# Altium PCB GT502W_V4_GPS_GT101.PcbDoc (part 2 of 2)
Units mil, origin at the board's own origin, x right, y up, seen from the top; angles counter-clockwise.
Board outline 1788.44 x 2361.43 mil, 4 copper layers (L1, L2, L3, L4), stack 28.912 mil thick; 156 components, 101 nets, 521 pads, 511 vias.
Unrouted connection lines stored in the file: 4.
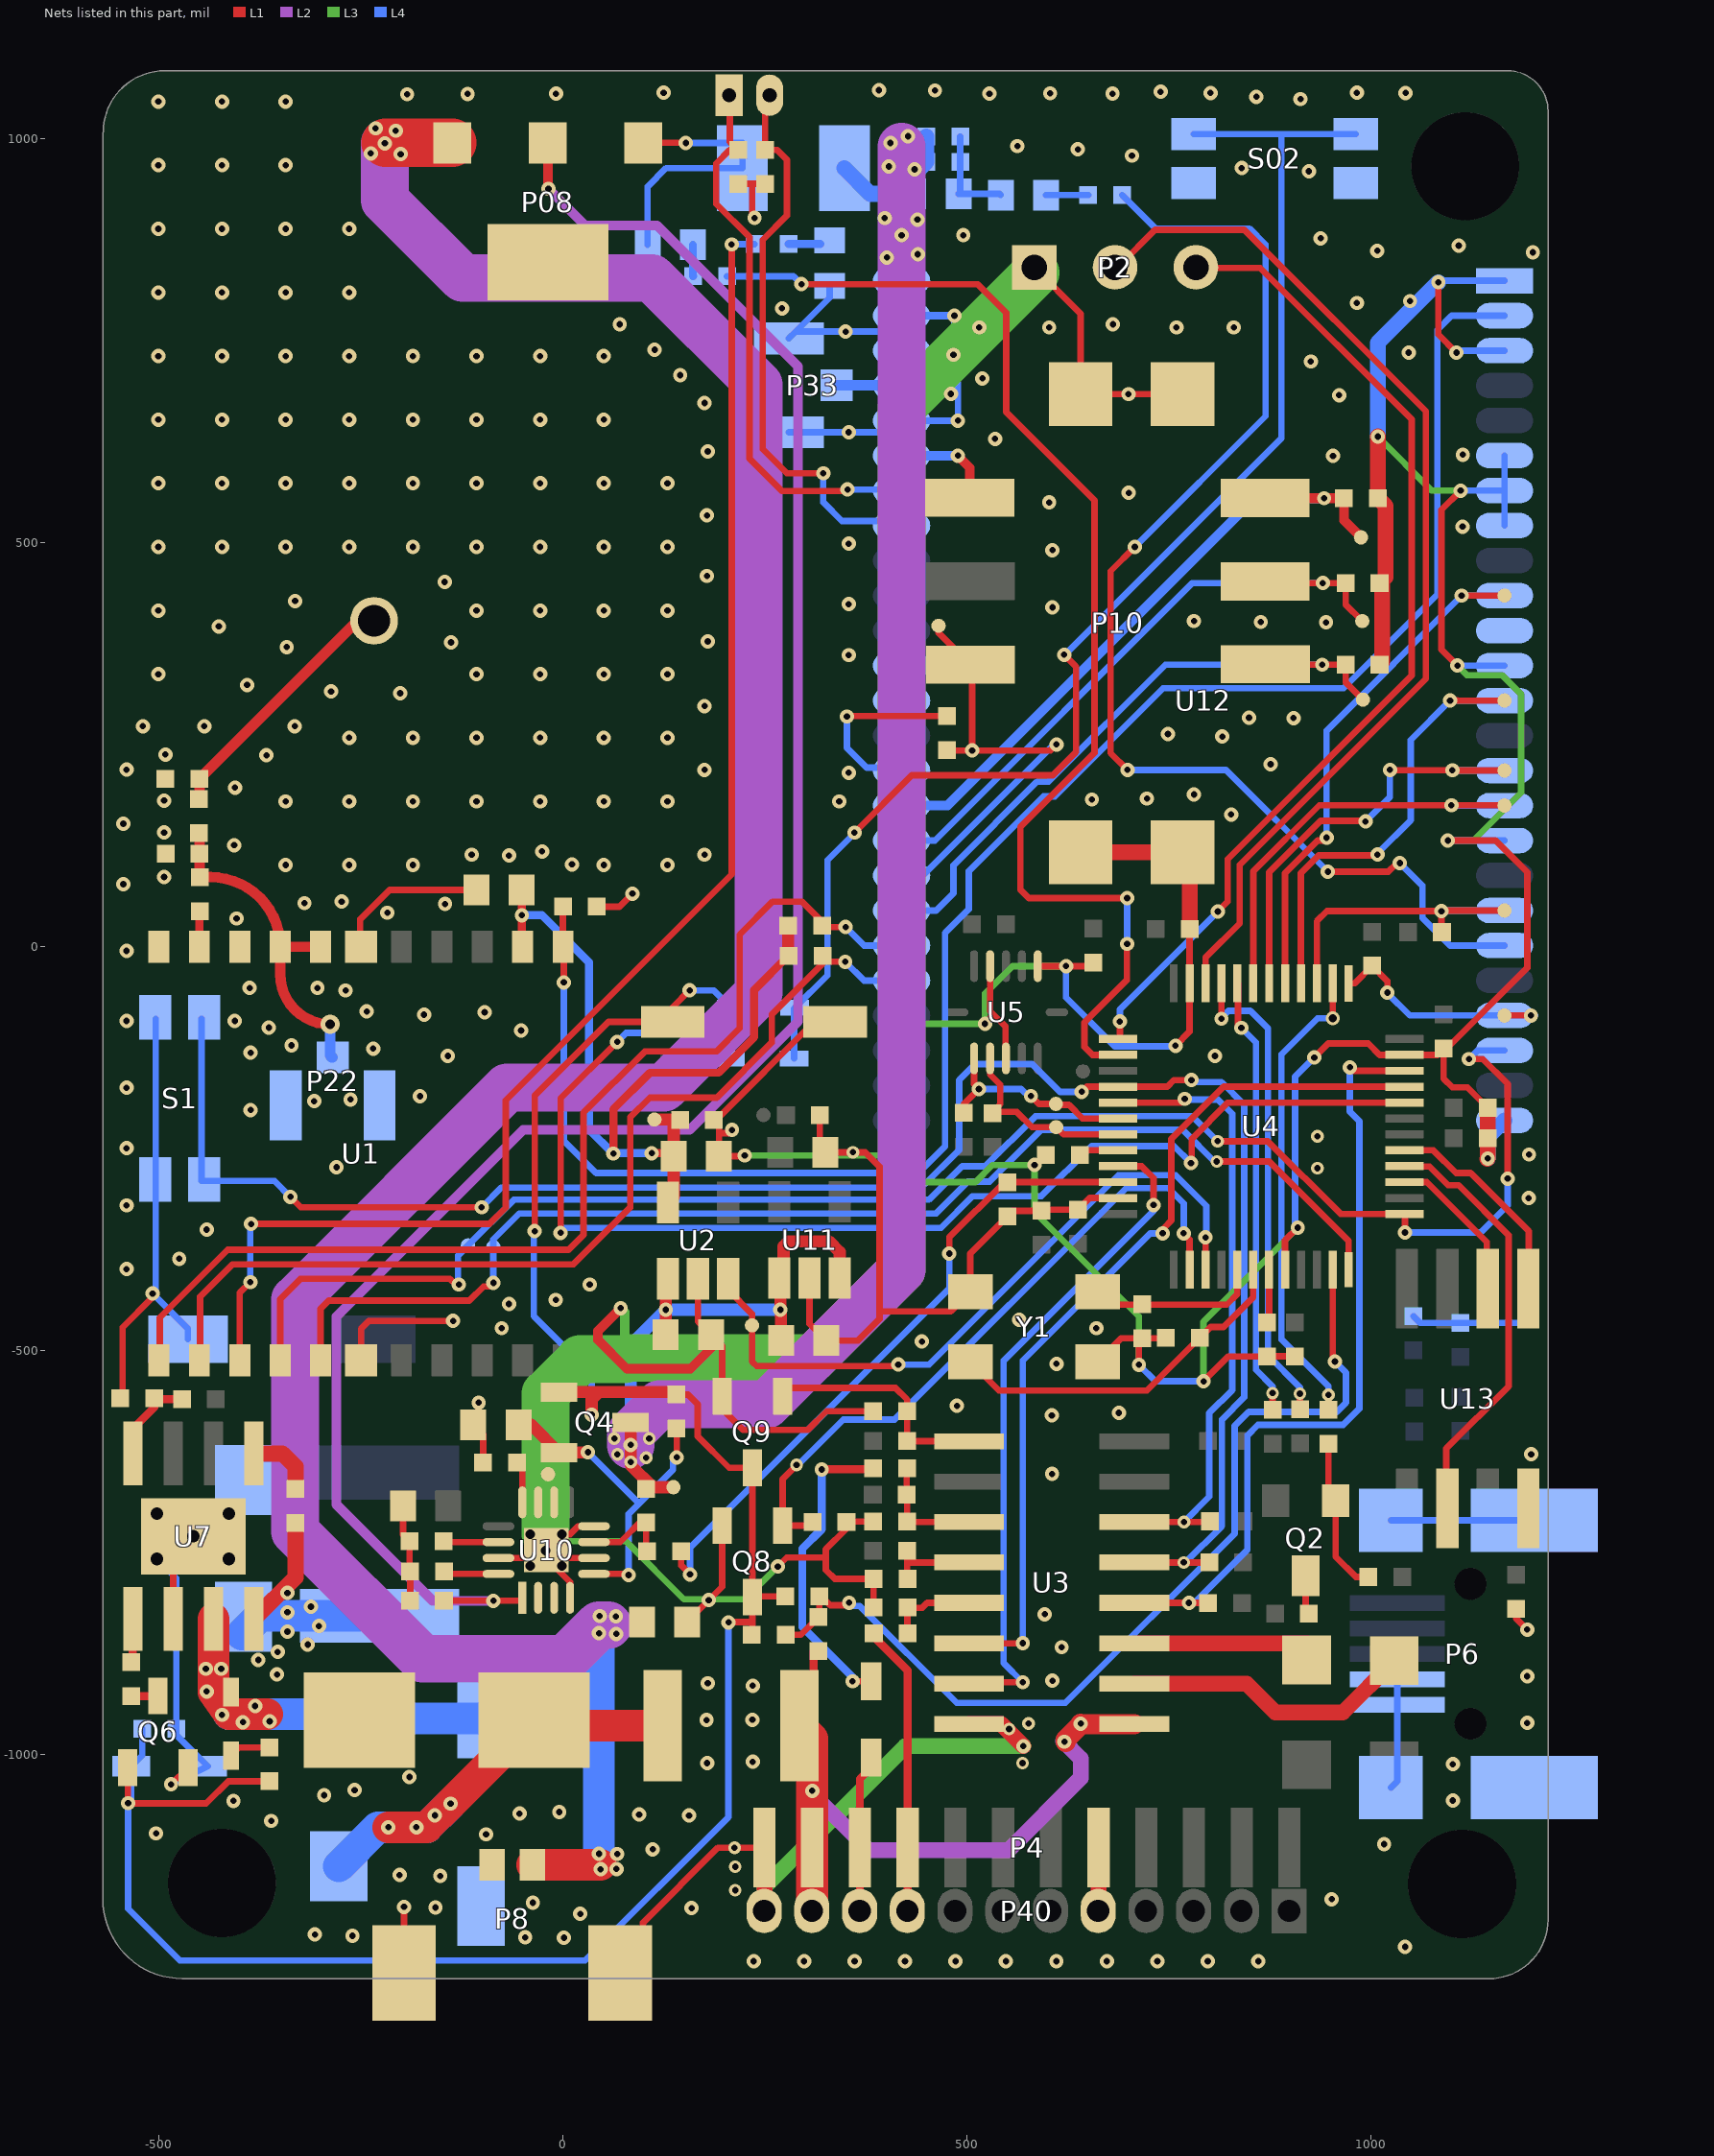
[diagram p4: the nets of this part, all layers, seen from the top]

## Via types
v1: diameter 17.72, hole 7.87, L1 to L4, 473 vias
v2: diameter 15.75, hole 7.87, L1 to L4, 22 vias
v3: diameter 31.5, hole 15.75, L1 to L4, 5 vias
v4: diameter 11.81, hole 11.81, L1 to L4, tented top, 5 vias
v5: diameter 31.5, hole 31.5, L1 to L4, 4 vias
v6: diameter 23.62, hole 11.81, L1 to L4, 1 vias
v7: diameter 17.72, hole 9.84, L1 to L4, 1 vias

## Nets (pads, with @x,y where several pads share a name; then routed paths per layer and width w, separated by ;. In a path a pad name is that pad's centre, name@x,y a point inside that pad or via, vN(x,y) a via of type N, cw(c..) or ccw(c..) an arc to the next point about the centre after c; other vN are vias at no path point) (continued)
GND: C5.1 C6.2 C8.1 C10.2 C11.2 C12.2 C13.2 C14.1 C15.2 C17.2 C18.1 C19.2 C20.1 C21.2 C22.2 C25.1 C31.2 C33.2 C40.1 C48.2 C49.2 C51.1 C53.2 C55.1 C56.2 C57.1 C58.1 C59.1 C61.1 C62.1 C63.1 C66.1 C69.1 C70.1 C85.2 C86.1 C87.1 C88.1 C89.1 C90.1 C91.1 C94.1 C95.1 D2.2 D5.1 D9.2 D10.1 D14.2 DZ1.1 P2.1 P4.5 P4.12 P6.4 P6.5 P6.6 P6.7 P6.8 P6.9 P8.1 P8.3 P08.3 P08.4 P8.4 P10.5 P10.8 P10.9 P10.10 P10.11 P22.2 P22.3 P33.2 P33.3 P40.5 P40.12 Q6.2 Q8.2 Q9.2 R11.1 R21.1 R43.2 R44.2 R45.2 R87.1 R88.2 R89.1 R93.2 S1.1 S1.2 S2.1 S02.3 S02.4 U1.18 U1.20 U1.21 U1.22 U2.2 U3.8 U4.8 U4.23 U4.35 U4.47 U5.1 U5.4 U5.8 U7.6 U7.9 U10.4 U10.6 U10.8 U10.15 U10.17 U11.2 U12.1 U12.3 U12.6 U12.7 U12.8 U12.12 U12.17 U12.25 U12.36 U12.45 U12.46 U12.48 U12.49 U13.4 Y1.2 Y1.4 | length 14985.6
  L1 w8: R21.1@-545,-558.66 -545,-471 -507.87,-433.87 v1(-507.87,-429.13) ; v1(-485.04,-1036.61) Q6.2@-463.78,-1015.94 ; U7.6@-482.48,-831.89 -482.48,-754.53 v3(-457.48,-729.53) ; U1.21@-250,-511.81 -250,-473 -240,-463 v1(-136,-463) ; U1.22@-250,0 -251,1 -251,34 -214.53,70.47 C40.1@-107.09,70.47 ; D10.1@-215.75,-981.89 D10.1@-196.85,-1000.79 ; C20.1@-198.11,-692.21 -198.11,-727.74 R44.2@-190,-735.84 -190,-772.32 R45.2@-189.11,-773.21 -189.11,-809.06 R88.2@-189.5,-809.45 ; P8.3@-196.85,-1270.08 v1(-196.85,-1188.19) ; v1(-104.46,-564.17) -104.46,-585.08 C70.1@-111.12,-591.73 -98.95,-603.9 R43.2@-98.95,-638.19 ; U10.15@-79.96,-756.51 U10.17@-30.75,-756.51 ; U10.17@-6.21,-771.35 8.62,-786.18 U10.4@8.62,-805.72 ; U10.17@-1.22,-756.51 U10.6@38.15,-756.51 ; v4(-1.22,-726.98) 8.85,-726.98 18.69,-717.14 U10.8@38.15,-717.14 ; C55.1@41.87,49.61 69.69,49.61 v1(85.83,65.75) ; P8.4@70.87,-1270.08 98.82,-1242.13 98.82,-1207.87 191.73,-1114.96 v2(212.2,-1114.96) P4.12@249.21,-1114.96 ; P08.3@99.21,995.08 151.97,995.08 v1(151.97,994.88) ; C25.1@153.54,-835.43 v1(180.31,-808.66) 196.85,-792.13 Q8.2@196.85,-716.34 ; U2.2@167.01,-410.91 167.01,-463.86 C63.1@183.07,-479.92 191.54,-488.39 196.85,-493.7 Q9.2@196.85,-556.3 196.85,-572.05 222.84,-598.03 302.76,-598.03 325.98,-574.8 C86.1@383.72,-574.8 ; v1(209.06,-226.77) 205.12,-230.71 192.91,-230.71 ; C94.1@216.54,943.96 216.93,944.35 234,944.35 ; v1@224.02,-259.06 C61.1@192.91,-259.06 192.91,-230.71 ; v1(237,902) 234,905 234,944.35 ; C95.1@250,944.35 234,944.35 ; v1(265.75,-766.93) 276.77,-755.91 325.2,-755.91 ; U11.2@305.02,-409.84 305.02,-466.73 C17.2@325.69,-487.4 364.96,-487.4 391.73,-460.63 391.73,-451.18 ; C18.1@318.9,-207.22 C18.1@317.85,-208.27 317.85,-247.68 C19.2@324.5,-254.33 v2(358.66,-254.33) 374.02,-254.33 391.73,-272.05 391.73,-451.18 ; S2.1@336.61,-92.91 310.63,-92.91 188.98,-214.57 C62.1@186.75,-214.57 192.91,-220.73 192.91,-230.71 ; v1(351.18,285.04) 351.71,285.57 C59.1@475.2,285.57 ; C87.1@383.72,-711.42 351.06,-711.42 R93.2@350.66,-711.81 350.66,-720.2 325.2,-745.67 325.2,-755.91 ; C89.1@384.12,-817.72 C88.1@384.12,-782.28 336.22,-782.28 325.2,-771.26 325.2,-755.91 ; v1(522.05,-95.28) 530.71,-86.61 ; U5.4@528.37,-23.92 528.37,-79.55 547.64,-98.82 547.64,-137.68 U5.8@548.06,-138.1 ; P2.1@583.07,840.94 640.44,783.58 P10.9@640.44,684.05 ; v1(583.46,-270.08) 585.3,-270.08 R11.1@597.5,-257.87 ; U5.1@587.43,-23.92 v1(622.44,-23.92) 651.8,-23.92 C14.1@656.3,-19.43 ; P10.9@607.57,651.18 P10.9@640.44,684.05 ; Y1.2@661.42,-513.78 690.81,-484.39 C8.1@716.93,-484.39 ; U4.47@686.72,-310.95 651.6,-310.95 C10.2@637.07,-325.48 593.12,-325.48 C5.1@591.76,-326.84 556.76,-326.84 C33.2@550,-333.6 503.94,-379.66 Y1.4@503.94,-427.17 479.92,-451.18 391.73,-451.18 ; v1(712.6,-517.32) 712.6,-488.72 C8.1@716.93,-484.39 ; C15.2@745.93,-483.86 745.4,-484.39 C8.1@716.93,-484.39 ; v1(757.87,-122.44) 775.31,-105.01 U4.35@775.31,-45.2 C13.2@775.33,22.05 ; P10.10@766.43,684.05 v1(699.61,684.05) P10.9@640.44,684.05 ; v1(792.52,-537.8) 823.35,-506.96 C6.2@871.26,-506.96 871.39,-506.83 C12.2@905.51,-506.83 ; U4.8@893.42,-399.53 893.42,-363.28 v1(909.06,-347.64) ; v1(929.53,-137.01) 946.85,-119.69 996.39,-119.69 1010.49,-133.78 U4.23@1041.05,-133.78 1081.82,-133.78 C11.2@1089.76,-125.84 ; v1(1083.07,822.44) 1083.07,757.87 v1(1105.51,735.43) ; v1(1094.88,131.5) 1153.94,131.5 1193.31,92.13 1193.31,-25.98 1093.45,-125.84 C11.2@1089.76,-125.84 ; v1(1106.69,348.03) 1087.01,367.72 1087.01,540.94 v1(1110.63,564.57) ; C91.1@1144.23,-199.2 1119.04,-174.02 1100.39,-174.02 1089.76,-163.38 C11.2@1089.76,-125.84 ; C85.2@1179.13,-819.43 1179.13,-831.13 v1(1193,-845)
  L1 w10: P2.1@579.92,840.94 P2.1@583.07,840.94
  L1 w11.81: v1(71.26,-447.24) 43.31,-475.2 43.31,-486.61 78.74,-522.05 157.87,-522.05 C63.1@191.54,-488.39 ; v1(488.58,607.87) 503.43,593.02 P10.5@503.43,555.7
  L1 w19.68: P40.12@249.21,-1197.24 P4.12@249.21,-1114.96 ; U3.8@502.36,-962.01 542.32,-962.01 v1(569.69,-989.37) ; P10.11@640.44,117.12 P10.8@766.43,117.12 775.33,108.21 C13.2@775.33,22.05 ; P40.5@661.42,-1199.61 659.06,-1199.61 662.6,-1196.06 P4.5@662.6,-1114.96 ; v1(1008.27,631.5) 1008.35,631.42 C56.2@1008.35,555.16 1017.72,545.79 1017.72,457.53 C57.1@1010.35,450.16 1013.68,446.83 1013.68,352.49 C58.1@1010.35,349.16 ; v1@1143.7,-262.6 v1(1144.23,-262.07) C90.1@1144.23,-237 C91.1@1144.23,-199.2
  L3 w8: -10.25,-735.83 77.95,-735.83 149.61,-807.48 v1@180.31,-807.48 ; v1(180.31,-808.66) v1@180.31,-807.48 ; v1(224.8,-258.27) 418.9,-258.27 ; v1(265.75,-766.93) 225.2,-807.48 v1@180.31,-807.48 ; 418.9,-291.34 510.24,-291.34 531.5,-270.08 v1(583.46,-270.08) 583.46,-328.35 712.6,-457.48 v1(712.6,-517.32) ; 419.69,-95.28 v1(522.05,-95.28) 522.05,-57.87 556,-23.92 v1(622.44,-23.92) ; v1(792.52,-537.8) 792.52,-464.17 v1(909.06,-347.64) ; v1(1008.27,631.5) 1075.2,564.57 v1(1110.63,564.57) ; v1(1094.88,131.5) 1126.38,131.5 1185.43,190.55 1185.43,312.6 1161.81,336.22 1118.5,336.22 v1(1106.69,348.03)
  L3 w11.81: 76.26,-510.24 v1@76.26,-452.24
  L3 w19.68: P40.12@249.21,-1197.24 249.21,-1163.78 423.62,-989.37 v1(569.69,-989.37)
  L3 w59.06: -21.52,-726.98 -21.52,-553.01 21.26,-510.24 76.26,-510.24 ; 78.17,-508.71 309.79,-508.71 418.9,-399.61 418.9,-291.34 418.9,-258.27 418.9,668.11 P2.1@583.07,832.28 ; P2.1@583.07,836.22 P2.1@583.07,832.28 ; P2.1@585.04,834.25 P2.1@583.07,832.28
  L4 w8: S1.2@-503.94,-88.98 -503.94,-425.2 v1(-507.87,-429.13) -464.17,-472.83 C21.2@-464.17,-485.83 ; v3(-502.48,-757.53) -478.61,-781.4 C31.2@-478.61,-968.11 -478.61,-975.33 DZ1.1@-439.76,-1014.17 v1(-485.04,-1036.61) ; D2.2@104.68,868.9 104.68,940.9 127.56,963.78 C53.2@222.05,963.78 222.05,994.88 v1(151.97,994.88) ; P33.3@279.53,636.81 v1(353.54,636.81) 414.77,636.81 418.9,632.68 ; P33.2@279.53,752.95 P33.2@287.99,761.42 ; D9.2@329.92,818.06 329.92,803.35 P33.2@287.99,761.42 ; v1(351.18,285.04) 351.18,246.06 375.59,221.65 415.35,221.65 U12.36@418.9,218.11 ; U12.45@418.9,607.87 418.9,632.68 ; 418.9,761.42 v1(349.61,761.42) P33.2@287.99,761.42 ; U12.46@423.62,655.91 U12.46@418.9,651.18 ; v1(484.25,781.1) 484.25,753.94 488.58,749.61 v1(488.58,651.18) U12.46@418.9,651.18 ; C49.2@491.47,1002.76 491.47,933.99 C51.1@489.37,931.89 540.11,931.89 D14.2@541.69,930.32 ; v1(622.44,-23.92) 622.44,-62.99 682.68,-123.23 v1@757.09,-123.23 ; v1(712.6,-517.32) 733.07,-537.8 v1(792.52,-537.8) ; v1(909.06,-347.64) 905.91,-344.49 905.91,-160.63 v1(929.53,-137.01) ; P6.7@1024.46,-1040.52 1032.32,-1032.65 P6.5@1032.32,-938.15 P6.4@1032.32,-906.65 ; P6.6@1024.46,-709.77 P6.8@1201.65,-709.77 ; R87.1@1052.36,-457.35 1060.63,-465.61 R89.1@1110.63,-465.61 1194.23,-465.61 ; v1(1083.07,822.44) 1085.04,824.41 U12.1@1164.96,824.41 ; v1(1094.88,131.5) U12.17@1164.96,131.5 ; v1(1105.51,735.43) 1107.87,737.8 U12.3@1164.96,737.8 ; v1(1106.69,348.03) U12.12@1164.96,348.03 ; v1(1110.63,564.57) U12.7@1164.96,564.57 ; U12.8@1164.96,521.26 U12.7@1164.96,564.57 ; U12.6@1164.96,607.87 U12.7@1164.96,564.57 ; 418.9,632.68 U12.46@418.9,651.18
  L4 w10: U12.48@398.03,737.8 U12.48@418.9,737.8 418.9,761.42 U12.49@418.9,781.1 v1(484.25,781.1)
  L4 w11.81: U12.45@418.9,607.87 v1(488.58,607.87)
  L4 w19.68: v1(1008.27,631.5) 1008.27,747.64 v1(1083.07,822.44) ; v1(1144.23,-262.07) 1144.23,-235.69 U12.25@1164.96,-214.96
  other v1: 235.83,-1255.51 298.27,-1255.51 360.71,-1255.51 423.15,-1255.51 485.59,-1255.51 548.03,-1255.51 610.47,-1255.51 672.91,-1255.51 735.35,-1255.51 797.8,-1255.51 860.24,-1255.51 1041.95,-1237.66 -46.85,-1225.98 1.18,-1226.38 -260.63,-1224.02 -307.09,-1222.44 21.26,-1196.85 -157.87,-1188.98 159.06,-1189.76 -37.4,-1183.07 951.18,-1178.74 -151.97,-1150 -202.36,-1148.82 111.02,-1116.93 1015.95,-1110.66 -95.28,-1098.43 -503.54,-1097.24 -361.02,-1081.89 155.91,-1075.2 94.1,-1074.02 -53.94,-1072.83 -4.72,-1070.87 -407.87,-1057.09 1100.95,-1056.66 -295.68,-1050.09 -257.88,-1043.75 -190.16,-1027.56 1100.95,-1011.66 178.35,-1010.24 234.65,-1008.66 1193,-960.63 177.56,-957.09 234.25,-956.69 234.65,-914.57 179.13,-911.42 605.51,-908.27 1193,-902.81 616.93,-866.93 596.06,-825.98 605.12,-652.36 1198,-628 604.72,-579.92 687.8,-576.77 487.4,-568.11 610.63,-516.14 444.09,-488.58 -76,-472 659.84,-472.05 564.17,-461.42 -67,-442 -9,-437 33,-418 -540.16,-398.82 -475,-386 -441,-350 -540.16,-320.08 1194.88,-311.02 -280.31,-272.83 1195.28,-257.09 -540.16,-249.21 -386.61,-201.97 -308,-191 -263,-189 -177,-185 -540.16,-174.41 -142.52,-135.04 806.69,-135.04 -386.61,-131.1 -235,-126 -336,-122 -51.97,-103.54 -364,-100 -540.16,-91.73 -406.3,-91.73 -172,-84 -97,-81 -243,-80 -269,-54 -387.8,-51 -304,-51 -540.16,-5.12 -404,35 -217.32,42.13 -146,53 -320,54 -274,56 -544.09,77.56 -493.66,86.41 -343.31,101.18 -264.57,101.18 -185.83,101.18 11,102 50.39,101.18 129.13,101.18 -67,113 -113,114 175,114 -26,118 -407.05,125.78 -493.66,141.53 -544.09,152.36 826.77,163.78 -343.31,179.92 -264.57,179.92 -185.83,179.92 -107.09,179.92 -28.35,179.92 50.39,179.92 129.13,179.92 341.73,179.92 -493.66,180.9 654.33,182.28 722.44,183.47 780.71,188.58 -406,197 353.54,215.35 175,219 -540.16,219.29 875.59,225.99 -367,237 -492,238 -264.57,258.66 -185.83,258.66 -107.09,258.66 -28.35,258.66 50.39,258.66 129.13,258.66 815.75,260.24 748.43,263.39 -520,273 -444,273 -332,273 848.82,283.47 903.94,283.07 175,298 -201.57,313.78 -287,316 -391,324 -500.79,337.4 -107.09,337.4 -28.35,337.4 50.39,337.4 129.13,337.4 353.54,361.02 -342,371 -138.58,376.77 179,378 -425.98,396.46 863.39,401.97 944.09,401.57 780.71,403.15 -500.79,416.14 -107.09,416.14 -28.35,416.14 50.39,416.14 129.13,416.14 605.51,420.08 353.54,424.02 -331.5,427.95 -146.46,451.57 178,459 605.51,490.94 -500.79,494.88 -422.05,494.88 -343.31,494.88 -264.57,494.88 -185.83,494.88 -107.09,494.88 -28.35,494.88 50.39,494.88 129.13,494.88 353.54,498.82 1112.99,520.08 178,534 601.57,550 700,561.81 -500.79,573.62 -422.05,573.62 -343.31,573.62 -264.57,573.62 -185.83,573.62 -107.09,573.62 -28.35,573.62 50.39,573.62 129.13,573.62 952.76,607.48 1113.39,609.06 179,613 534.65,628.74 -500.79,652.36 -422.05,652.36 -343.31,652.36 -264.57,652.36 -185.83,652.36 -107.09,652.36 -28.35,652.36 50.39,652.36 175,673 960.24,682.68 479.92,684.25 518.9,703.54 144.88,707.48 925.2,724.41 -500.79,731.1 -422.05,731.1 -343.31,731.1 -264.57,731.1 -185.83,731.1 -107.09,731.1 -28.35,731.1 50.39,731.1 483.07,732.68 1046.46,735.43 113.39,738.98 514.96,766.54 601.57,766.54 759.06,766.54 829.92,766.54 70.08,770.47 680.32,770.47 270.87,790.16 982.28,796.85 1048.03,799.21 -500.79,809.84 -422.05,809.84 -343.31,809.84 -264.57,809.84 1200,859.45 1007.48,861.42 1108.27,867.72 937.4,876.77 495.28,880.71 -500.79,888.58 -422.05,888.58 -343.31,888.58 -264.57,888.58 922.84,959.84 839.77,963.78 -500.79,967.32 -422.05,967.32 -343.31,967.32 703.94,979.13 637.01,987.01 562.2,990.94 -500.79,1046.06 -422.05,1046.06 -343.31,1046.06 912.6,1049.21 857.88,1051.97 -192.91,1055.12 -118.11,1055.51 -8.66,1055.91 527.56,1055.91 679.92,1055.91 602.76,1056.3 801.18,1056.7 1042.52,1056.7 124.41,1057.09 982.28,1057.09 739.37,1058.27 460.24,1059.84 390.95,1060.24
  other v2: 212.99,-1167.72 212.99,-1138.58 568.5,-1010.24 551.97,-968.11 575.99,-961.42 933.46,-274.02 933.46,-234.65
  other v3: -413.48,-757.53 -502.48,-701.53 -413.48,-701.53
  other v4: -40.59,-766.35 -1.22,-766.35 -21.52,-747.09 -40.59,-726.98
GPS_EN: TP16.1 U2.3 U4.3 | length 867.3
  L1 w8: U2.3@204.42,-410.91 204.42,-424.89 233.86,-454.33 TP16.1@233.86,-468.5 233.86,-513.39 239.37,-518.9 412.99,-518.9 v1(414.86,-517.03) ; U4.3@794.99,-399.53 v1@794.99,-363.89
  L4 w8: v1(414.86,-517.03) 453.05,-517.03 687.42,-282.66 757.95,-282.66 795.95,-320.66 v1@795.95,-359.66
  other v1: 794.95,-359.66
GPS_SCL: R77.1 U1.2 U12.30 | length 1217.2
  L1 w8: U1.2@-449,-506 -449,-433 -409,-393 13,-393 83.07,-322.93 83.07,-211.02 107.48,-186.61 190.16,-186.61 258.27,-118.5 258.27,-83.86 321,-21.13 321,-16.4 326.38,-16.4 R77.1@321,-11.02 ; R77.1@328.48,-18.5 v1(349.21,-18.5)
  L4 w8: v1(349.21,-18.5) 372.44,-41.73 U12.30@418.9,-41.73
GPS_SDA: R78.1 U1.1 U12.31 | length 1360
  L1 w8: U1.1@-499,-506 -499,-459 -415,-375 7,-375 25.37,-356.63 25.37,-205.34 101.18,-129.53 189.76,-129.53 218.5,-100.79 218.5,14.96 259.45,55.91 295.67,55.91 320.61,30.97 R78.1@320.61,25.98 322.18,24.41 v1(349.61,24.41)
  L4 w8: v1(349.61,24.41) 372.44,1.57 U12.31@418.9,1.57
GPS_TXD: TP1.1 U1.4 U4.13 U12.23 | length 2085
  L1 w8: U1.4@-350,-511.81 -350,-436 -325,-411 -140,-411 -133,-418 v1(-129,-418) ; v2(809.95,-240.66) 872.16,-240.66 962.13,-330.63 U4.13@1041.05,-330.63 1041.73,-331.31 v1(1041.73,-353.54) ; v1(1120.87,-138.98) 1138.19,-138.98 1168.9,-169.69 v1(1168.9,-287)
  L4 w8: v1@-129.92,-414.17 -129.92,-381.92 TP1.1@-117.66,-369.66 -61,-313 452.61,-313 493.95,-271.66 522.43,-271.66 584.43,-209.66 778.95,-209.66 v2(809.95,-240.66) ; v1(1041.73,-353.54) 1135.43,-353.54 1168.9,-320.08 v1(1168.9,-287) ; v1(1120.87,-138.98) 1131.5,-128.35 U12.23@1164.96,-128.35 U12.23@1138.58,-128.35
GSM_DCD: U12.11
GSM_POWER: R31.2 TP8.1 U4.27 U12.19 | length 419
  L1 w8: U4.27@932.79,-45.2 932.79,31.6 945.28,44.09 v1(1087.01,44.09) ; R31.2@1087.54,18.11 1087.01,18.64 v1(1087.01,44.09) ; TP8.1@1164.96,44.88 1087.8,44.88 v1(1087.01,44.09)
  L4 w8: v1(1087.01,44.09) 1087.8,44.88 U12.19@1164.96,44.88
GSM_RI: TP3.1 U4.29 U12.10 | length 683.1
  L1 w8: U4.29@893.42,-45.2 893.42,91.17 933.74,131.5 v1@944.88,131.5 ; v1(1111.81,434.65) TP3.1@1164.96,434.65
  L4 w8: v1@944.88,131.5 v1(944.88,135.04) 944.88,267.72 v1(1111.81,434.65) U12.10@1164.96,434.65
GSM_RST: R33.2 TP9.1 U4.25 U12.22 | length 311.7
  L1 w8: U4.25@972.16,-45.2 979.34,-45.2 R33.2@1001.18,-23.36 1020.08,-42.26 v1(1020.08,-56.69) ; TP9.1@1164.96,-85.04 v1(1197.63,-85.04)
  L4 w8: v1(1020.08,-56.69) 1020.08,-57.09 1048.03,-85.04 U12.22@1164.96,-85.04 1202.76,-85.04 v1(1197.63,-85.04)
GSM_RTS: TP5.1 U4.28 U12.13 | length 602
  L1 w8: U4.28@913.1,-45.2 913.1,91.05 935.05,113 v1@1007.09,113 ; v1(1097.64,304.72) 1098.03,305.12 1105.91,305.12 1106.3,304.72 TP5.1@1164.96,304.72
  L4 w8: v1(1007.87,114.18) 1007.87,115.75 1048.82,156.69 1048.82,255.91 v1(1097.64,304.72) U12.13@1164.96,304.72
HI_IN: P4.9 P40.9 R85.2 | length 361.2
  L1 w10: R85.2@384.51,-849.61 384.51,-853.8 426.38,-895.67 P4.9@426.38,-1114.96 426.38,-1192.91 P40.9@425.98,-1193.31
IO_HI_ACT: R5.1 U3.12 U4.22 | length 980.6
  L1 w8: U3.12@707.09,-812.01 v1(774.41,-812.01) 798.09,-812.01 R5.1@798.29,-812.2 ; v1(973.62,-149.21) 977.88,-153.47 U4.22@1041.05,-153.47
  L4 w8: v1(774.41,-812.01) v1@780.32,-812.01 ; v1@780.32,-810.63 782.28,-810.63 846.85,-746.06 846.85,-604.72 859.84,-591.73 965.35,-591.73 985.43,-571.65 985.43,-215.75 973.62,-203.94 v1(973.62,-149.21)
IO_LOW_ACT: R3.1 U3.14 U4.41 | length 773.7
  L1 w8: U4.41@686.72,-192.84 764.64,-192.84 v1@768.31,-189.17 ; U3.14@707.09,-712.01 v2(768.5,-712.01) 799.28,-712.01 R3.1@800.26,-711.02
  L4 w8: v2@768.11,-712.01 799.61,-680.51 799.61,-577.05 827.95,-548.7 827.95,-206.66 810.46,-189.17 v1@768.31,-189.17
  other v1: 769.29,-188.19
LED: R9.2 U4.38 | length 1549.1
  L1 w8: v1(295,820.08) 512.99,820.08 548.43,784.65 548.43,661.81 657.7,552.54 657.7,239.99 565.75,148.03 565.75,70.87 576.38,60.24 v1(698.03,60.24) ; U4.38@686.72,-133.78 655.05,-133.78 645.28,-124.01 645.28,-93.7 697.64,-41.34 v1@697.64,3.15
  L4 w8: R9.2@202.89,829.92 285.16,829.92 v1(295,820.08) ; v1(698.03,3.54) v1(698.03,60.24)